# Allegro board pc051c_toplevel_209edited.brd (continued)
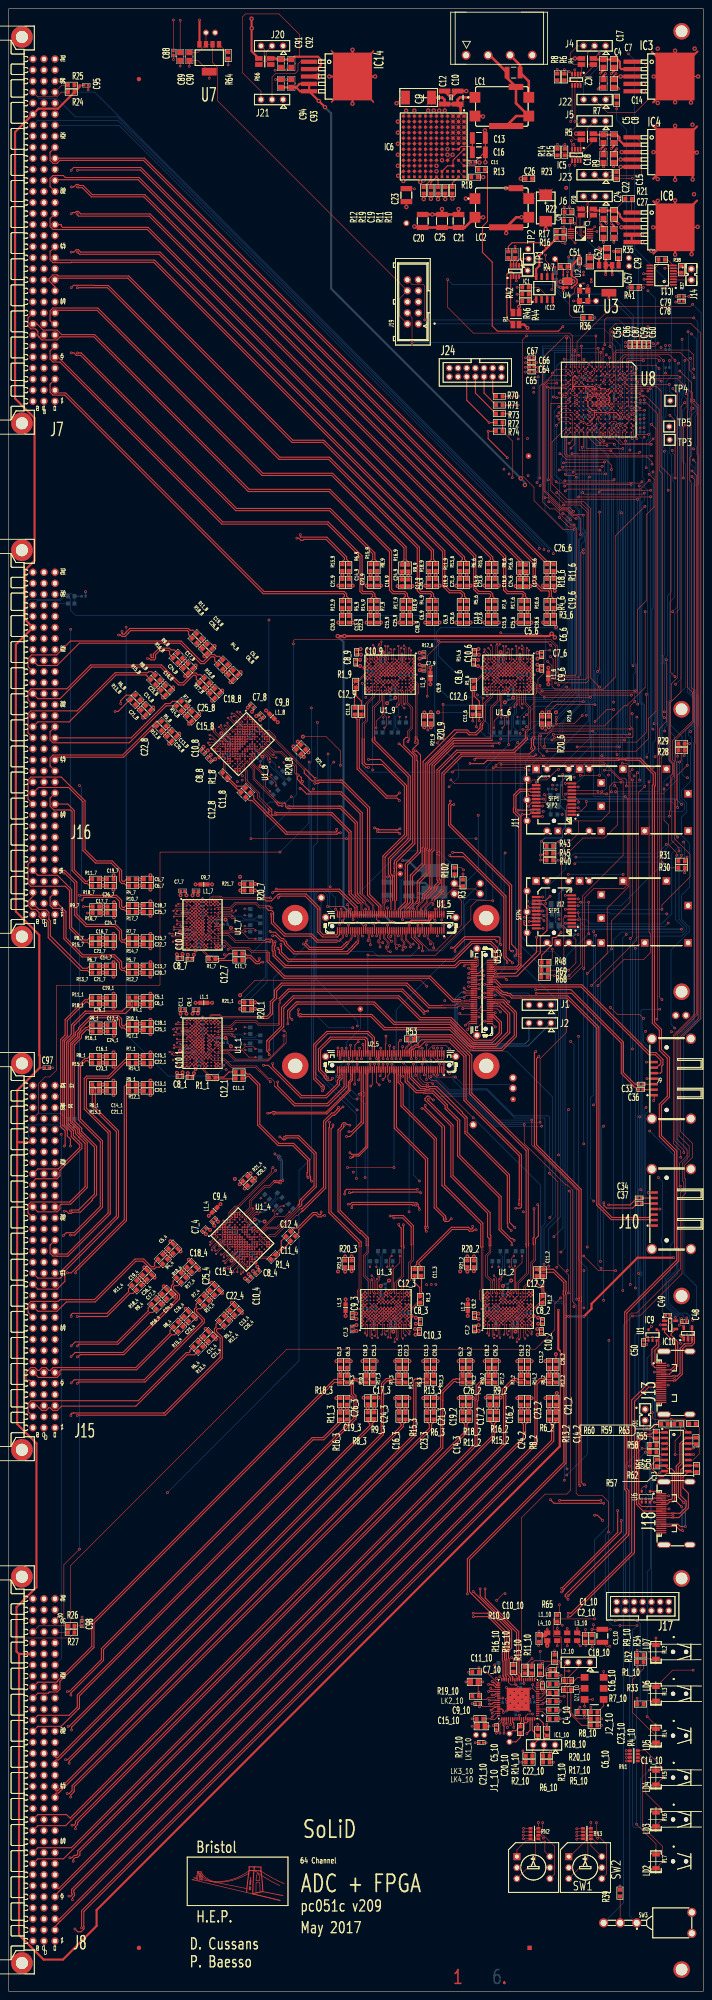
[diagram p0: board, top side]
## Routing (per net, layer and track width the routed paths; a pad name or vN(x,y) marks a point on that pad's centre or on a via; arc(x,y) is an arc through that point) (continued)
  L3 w0.25: v2(50,303.58) 52.65,300.93 v4(52.65,294.42)
AIN-<1>_9: length 14.7
  TOP w0.13: U1_9.B1 92.15,306.65 92.15,308.95 v4(92.25,309.05)
  TOP w0.25: R4_9.2 v2(96.85,317.4) C6_9.2
  L3 w0.25: v4(92.25,309.05) 96.85,313.65 v2(96.85,317.4)
AIN-<2>_1: length 23.9
  TOP w0.13: U1_1.C1 40.97,221.83 38.43,221.83 v4(37.95,221.35)
  TOP w0.25: R18_1.2 v2(21.7,227.15) C26_1.2
  L3 w0.25: v2(21.7,227.15) 24.3,224.55 34.75,224.55 v4(37.95,221.35)
AIN-<2>_2: length 23.9
  TOP w0.13: v4(111.85,150.3) 111.37,150.78 111.37,153.32 U1_2.C1
  TOP w0.25: C26_2.2 v2(106.05,134.05) R18_2.2
  L3 w0.25: v2(106.05,134.05) 108.65,136.65 108.65,147.1 v4(111.85,150.3)
AIN-<2>_3: length 23.9
  TOP w0.13: v4(83.7,150.3) 83.22,150.78 83.22,153.32 U1_3.C1
  TOP w0.25: R18_3.2 v2(77.9,134.05) C26_3.2
  L3 w0.25: v2(77.9,134.05) 80.5,136.65 80.5,147.1 v4(83.7,150.3)
AIN-<2>_4: length 23.9
  TOP w0.13: v4(46.8,170.53) 46.8,171.2 48.6,173 U1_4.C1
  TOP w0.25: C26_4.2 v2(31.21,163.14) R18_4.2
  L3 w0.25: v4(46.8,170.53) 42.27,170.53 37.32,165.57 33.64,165.57 v2(31.21,163.14)
AIN-<2>_6: length 23.9
  TOP w0.13: U1_6.C1 118.68,306.63 118.68,309.17 v4(118.2,309.65)
  TOP w0.25: C26_6.2 v2(124,325.9) R18_6.2
  L3 w0.25: v4(118.2,309.65) 121.4,312.85 121.4,323.3 v2(124,325.9)
AIN-<2>_7: length 23.9
  TOP w0.13: U1_7.C1 40.97,249.08 38.43,249.08 v4(37.95,248.6)
  TOP w0.25: C26_7.2 v2(21.7,254.4) R18_7.2
  L3 w0.25: v4(37.95,248.6) 34.75,251.8 24.3,251.8 v2(21.7,254.4)
AIN-<2>_8: length 23.9
  TOP w0.13: U1_8.C1 53.85,292.2 52.05,294 v4(51.38,294)
  TOP w0.25: C26_8.2 v2(43.99,309.59) R18_8.2
  L3 w0.25: v4(51.38,294) 51.38,298.53 46.42,303.48 46.42,307.16 v2(43.99,309.59)
AIN-<2>_9: length 23.9
  TOP w0.13: U1_9.C1 91.53,306.63 91.53,309.17 v4(91.05,309.65)
  TOP w0.25: C26_9.2 v2(96.85,325.9) R18_9.2
  L3 w0.25: v4(91.05,309.65) 94.25,312.85 94.25,323.3 v2(96.85,325.9)
AIN-<3>_1: length 13.2
  TOP w0.13: v4(38.05,220.05) 40.95,220.05 U1_1.E1
  TOP w0.25: C25_1.2 v2(30.2,221.15) R17_1.2
  L3 w0.25: v2(30.2,221.15) 35.72,221.15 36.82,220.05 v4(38.05,220.05)
AIN-<3>_2: length 13.2
  TOP w0.13: v4(113.15,150.4) 113.15,153.3 U1_2.E1
  TOP w0.25: C25_2.2 v2(112.05,142.55) R17_2.2
  L3 w0.25: v4(113.15,150.4) 113.15,149.17 112.05,148.07 v2(112.05,142.55)
AIN-<3>_3: length 13.2
  TOP w0.13: U1_3.E1 85,153.3 v4(85,150.4)
  TOP w0.25: R17_3.2 v2(83.9,142.55) C25_3.2
  L3 w0.25: v4(85,150.4) 85,149.17 83.9,148.07 v2(83.9,142.55)
AIN-<3>_4: length 13.2
  TOP w0.13: R17_4.2 v2(41.46,164.9) C25_4.2 ; v4(47.79,169.68) 49.84,171.73 U1_4.E1
  L3 w0.25: v4(47.79,169.68) 46.92,168.81 45.37,168.81 v2(41.46,164.9)
AIN-<3>_6: length 13.2
  TOP w0.13: U1_6.E1 116.9,306.65 v4(116.9,309.55)
  TOP w0.25: R17_6.2 v2(118,317.4) C25_6.2
  L3 w0.25: v4(116.9,309.55) 116.9,310.78 118,311.88 v2(118,317.4)
AIN-<3>_7: length 13.2
  TOP w0.13: U1_7.E1 40.95,247.3 v4(38.05,247.3)
  TOP w0.25: R17_7.2 v2(30.2,248.4) C25_7.2
  L3 w0.25: v4(38.05,247.3) 36.82,247.3 35.72,248.4 v2(30.2,248.4)
AIN-<3>_8: length 13.2
  TOP w0.13: R17_8.2 v2(45.75,299.34) C25_8.2 ; v4(50.53,293.01) 52.58,290.96 U1_8.E1
  L3 w0.25: v4(50.53,293.01) 49.66,293.88 49.66,295.43 v2(45.75,299.34)
AIN-<3>_9: length 13.2
  TOP w0.13: v4(89.75,309.55) 89.75,306.65 U1_9.E1
  TOP w0.25: C25_9.2 v2(90.85,317.4) R17_9.2
  L3 w0.25: v2(90.85,317.4) 90.85,311.88 89.75,310.78 v4(89.75,309.55)
AIN-<4>_1: length 22.4
  TOP w0.13: v4(38.75,218.25) 39.05,218.55 U1_1.G1
  TOP w0.25: R16_1.2 v2(21.8,220.85) C24_1.2
  L3 w0.25: v2(21.8,220.85) 24.4,218.25 v4(38.75,218.25)
AIN-<4>_2: length 22.4
  TOP w0.13: v4(114.95,151.1) 114.65,151.4 U1_2.G1
  TOP w0.25: C24_2.2 v2(112.35,134.15) R16_2.2
  L3 w0.25: v2(112.35,134.15) 114.95,136.75 v4(114.95,151.1)
AIN-<4>_3: length 22.4
  TOP w0.13: v4(86.8,151.1) 86.5,151.4 U1_3.G1
  TOP w0.25: R16_3.2 v2(84.2,134.15) C24_3.2
  L3 w0.25: v2(84.2,134.15) 86.8,136.75 v4(86.8,151.1)
AIN-<4>_4: length 22.4
  TOP w0.13: C24_4.2 v2(35.73,158.75) R16_4.2 ; v4(49.56,168.9) 49.56,169.32 U1_4.G1
  L3 w0.25: v4(49.56,168.9) 39.41,158.75 v2(35.73,158.75)
AIN-<4>_6: length 22.4
  TOP w0.13: U1_6.G1 115.4,308.55 v4(115.1,308.85)
  TOP w0.25: C24_6.2 v2(117.7,325.8) R16_6.2
  L3 w0.25: v4(115.1,308.85) 115.1,323.2 v2(117.7,325.8)
AIN-<4>_7: length 22.4
  TOP w0.13: v4(38.75,245.5) 39.05,245.8 U1_7.G1
  TOP w0.25: C24_7.2 v2(21.8,248.1) R16_7.2
  L3 w0.25: v2(21.8,248.1) 24.4,245.5 v4(38.75,245.5)
AIN-<4>_8: length 22.4
  TOP w0.13: v4(49.75,291.24) 50.17,291.24 U1_8.G1 ; C24_8.2 v2(39.6,305.07) R16_8.2
  L3 w0.25: v2(39.6,305.07) 39.6,301.39 v4(49.75,291.24)
AIN-<4>_9: length 22.4
  TOP w0.13: U1_9.G1 88.25,308.55 v4(87.95,308.85)
  TOP w0.25: R16_9.2 v2(90.55,325.8) C24_9.2
  L3 w0.25: v2(90.55,325.8) 87.95,323.2 v4(87.95,308.85)
AIN-<5>_1: length 23.7
  TOP w0.13: v4(38.05,217.05) 38.1,217.1 40.4,217.1 40.65,217.35 41.45,217.35 U1_1.H2
  TOP w0.25: C23_1.2 v2(21.7,213.65) R15_1.2
  L3 w0.25: v4(38.05,217.05) 27.36,217.05 23.96,213.65 v2(21.7,213.65)
AIN-<5>_2: length 23.7
  TOP w0.13: v4(116.15,150.4) 116.1,150.45 116.1,152.75 115.85,153 115.85,153.8 U1_2.H2
  TOP w0.25: C23_2.2 v2(119.55,134.05) R15_2.2
  L3 w0.25: v2(119.55,134.05) 119.55,136.31 116.15,139.71 v4(116.15,150.4)
AIN-<5>_3: length 23.7
  TOP w0.13: U1_3.H2 87.7,153.8 87.7,153 87.95,152.75 87.95,150.45 v4(88,150.4)
  TOP w0.25: C23_3.2 v2(91.4,134.05) R15_3.2
  L3 w0.25: v2(91.4,134.05) 91.4,136.31 88,139.71 v4(88,150.4)
AIN-<5>_4: length 23.7
  TOP w0.13: R15_4.2 v2(40.75,153.59) C23_4.2 ; U1_4.H2 52.1,170.17 51.54,169.61 51.54,169.26 49.91,167.63 v4(49.91,167.56)
  L3 w0.25: v4(49.91,167.56) 42.35,159.99 42.35,155.19 v2(40.75,153.59)
AIN-<5>_6: length 23.9
  TOP w0.13: v4(113.9,309.55) 113.95,309.5 113.95,307.2 114.2,306.95 114.2,306.15 U1_6.H2
  TOP w0.25: C23_6.2 v2(110.5,325.9) R15_6.2
  L3 w0.25: v2(110.5,325.9) 110.5,323.64 114.05,320.1 114.05,309.7 v4(113.9,309.55)
AIN-<5>_7: length 23.7
  TOP w0.13: U1_7.H2 41.45,244.6 40.65,244.6 40.4,244.35 38.1,244.35 v4(38.05,244.3)
  TOP w0.25: R15_7.2 v2(21.7,240.9) C23_7.2
  L3 w0.25: v2(21.7,240.9) 23.96,240.9 27.36,244.3 v4(38.05,244.3)
AIN-<5>_8: length 23.7
  TOP w0.13: C23_8.2 v2(34.44,300.05) R15_8.2 ; v4(48.41,290.89) 48.48,290.89 50.11,289.26 50.46,289.26 51.02,288.7 U1_8.H2
  L3 w0.25: v2(34.44,300.05) 36.04,298.45 40.84,298.45 v4(48.41,290.89)
AIN-<5>_9: length 23.7
  TOP w0.13: v4(86.75,309.55) 86.8,309.5 86.8,307.2 87.05,306.95 87.05,306.15 U1_9.H2
  TOP w0.25: C23_9.2 v2(83.35,325.9) R15_9.2
  L3 w0.25: v2(83.35,325.9) 83.35,323.64 86.75,320.24 v4(86.75,309.55)
AIN-<6>_1: length 14.8
  TOP w0.13: U1_1.K2 41.45,215.75 40.49,215.75 40.11,215.37 37.93,215.37 v4(37.65,215.65)
  TOP w0.25: R14_1.2 v2(30.2,213.65) C22_1.2
  L3 w0.25: v2(30.2,213.65) 35.62,213.65 v4(37.65,215.65)
AIN-<6>_2: length 14.8
  TOP w0.13: U1_2.K2 117.44,153.81 117.44,152.84 117.83,152.46 117.83,150.28 v4(117.55,150)
  TOP w0.25: R14_2.2 v2(119.55,142.55) C22_2.2
  L3 w0.25: v2(119.55,142.55) 119.55,147.97 v4(117.55,150)
AIN-<6>_3: length 14.8
  TOP w0.13: U1_3.K2 89.3,153.81 89.3,152.84 89.68,152.46 89.68,150.28 v4(89.4,150)
  TOP w0.25: R14_3.2 v2(91.4,142.55) C22_3.2
  L3 w0.25: v4(89.4,150) 91.4,147.97 v2(91.4,142.55)
AIN-<6>_4: length 14.8
  TOP w0.13: R14_4.2 v2(46.76,159.6) C22_4.2 ; v4(50.62,166.28) 51.01,166.28 52.55,167.82 52.55,168.37 53.23,169.05 U1_4.K2
  L3 w0.25: v4(50.62,166.28) 50.62,163.45 v2(46.76,159.6)
AIN-<6>_6: length 14.8
  TOP w0.13: v4(112.5,309.95) 112.22,309.67 112.22,307.49 112.61,307.11 112.61,306.14 U1_6.K2
  TOP w0.25: C22_6.2 v2(110.5,317.4) R14_6.2
  L3 w0.25: v2(110.5,317.4) 110.5,311.98 v4(112.5,309.95)
AIN-<6>_7: length 14.8
  TOP w0.13: U1_7.K2 41.45,243 40.49,243 40.11,242.62 37.93,242.62 v4(37.65,242.9)
  TOP w0.25: C22_7.2 v2(30.2,240.9) R14_7.2
  L3 w0.25: v4(37.65,242.9) 35.62,240.9 v2(30.2,240.9)
AIN-<6>_8: length 14.8
  TOP w0.13: v4(47.13,290.18) 47.13,289.79 48.67,288.25 49.22,288.25 49.9,287.57 U1_8.K2 ; R14_8.2 v2(40.45,294.04) C22_8.2
  L3 w0.25: v2(40.45,294.04) 44.3,290.18 v4(47.13,290.18)
AIN-<6>_9: length 14.8
  TOP w0.13: U1_9.K2 85.45,306.14 85.45,307.11 85.07,307.49 85.07,309.67 v4(85.35,309.95)
  TOP w0.25: R14_9.2 v2(83.35,317.4) C22_9.2
  L3 w0.25: v4(85.35,309.95) 83.35,311.98 v2(83.35,317.4)
AIN-<7>_1: length 25.1
  TOP w0.13: v4(38.55,213.65) 39.05,214.16 41.45,214.16 U1_1.M2
  TOP w0.25: C21_1.2 v2(21.7,207.15) R13_1.2
  L3 w0.25: v2(21.7,207.15) 24.96,207.15 29.06,211.25 34.86,211.25 37.07,213.46 38.39,213.46 v4(38.55,213.65)
AIN-<7>_2: length 25.1
  TOP w0.13: v4(119.55,150.9) 119.05,151.41 119.05,153.81 U1_2.M2
  TOP w0.25: R13_2.2 v2(126.05,134.05) C21_2.2
  L3 w0.25: v2(126.05,134.05) 125.55,134.55 125.55,137.81 121.95,141.41 121.95,147.21 119.74,149.42 119.74,150.74 v4(119.55,150.9)
AIN-<7>_3: length 25.1
  TOP w0.13: v4(91.4,150.9) 90.89,151.41 90.89,153.81 U1_3.M2
  TOP w0.25: C21_3.2 v2(97.9,134.05) R13_3.2
  L3 w0.25: v4(91.4,150.9) 91.59,150.74 91.59,149.42 93.8,147.21 93.8,141.41 97.9,137.31 v2(97.9,134.05)
AIN-<7>_4: length 25.1
  TOP w0.13: v4(52.67,165.5) 52.67,166.22 54.37,167.92 U1_4.M2 ; C21_4.2 v2(45.35,148.99) R13_4.2
  L3 w0.25: v4(52.67,165.5) 52.67,165.24 51.75,164.32 51.75,161.2 47.65,157.1 47.65,151.3 v2(45.35,148.99)
AIN-<7>_6: length 25.1
  TOP w0.13: U1_6.M2 111,306.14 111,308.55 v4(110.5,309.05)
  TOP w0.25: R13_6.2 v2(104,325.9) C21_6.2
  L3 w0.25: v4(110.5,309.05) 110.31,309.21 110.31,310.53 108.1,312.74 108.1,318.54 104,322.64 v2(104,325.9)
AIN-<7>_7: length 25.1
  TOP w0.13: v4(38.55,240.9) 39.05,241.41 41.45,241.41 U1_7.M2
  TOP w0.25: R13_7.2 v2(21.7,234.4) C21_7.2
  L3 w0.25: v4(38.55,240.9) 38.39,240.71 37.07,240.71 34.86,238.5 29.06,238.5 24.96,234.4 v2(21.7,234.4)
AIN-<7>_8: length 25.1
  TOP w0.13: R13_8.2 v2(29.84,295.45) C21_8.2 ; U1_8.M2 48.77,286.43 47.07,288.13 v4(46.35,288.13)
  L3 w0.25: v2(29.84,295.45) 32.15,293.15 37.95,293.15 42.05,289.05 45.17,289.05 46.09,288.13 v4(46.35,288.13)
AIN-<7>_9: length 25.1
  TOP w0.13: U1_9.M2 83.86,306.14 83.86,308.55 v4(83.35,309.05)
  TOP w0.25: C21_9.2 v2(76.85,325.9) R13_9.2
  L3 w0.25: v2(76.85,325.9) 76.85,322.64 80.95,318.54 80.95,312.74 83.16,310.53 83.16,309.21 v4(83.35,309.05)
AIN-<8>_1: length 16.3
  TOP w0.13: U1_1.N2 41.45,213.35 40.15,213.35 v4(39.45,212.65)
  TOP w0.25: C20_1.2 v2(30.2,207.15) R12_1.2
  L3 w0.25: v4(39.45,212.65) 39.05,212.25 38.36,212.25 33.26,207.15 v2(30.2,207.15)
AIN-<8>_2: length 16.3
  TOP w0.13: U1_2.N2 119.85,153.8 119.85,152.5 v4(120.55,151.8)
  TOP w0.25: R12_2.2 v2(126.05,142.55) C20_2.2
  L3 w0.25: v2(126.05,142.55) 126.05,145.61 120.95,150.71 120.95,151.4 v4(120.55,151.8)
AIN-<8>_3: length 16.3
  TOP w0.13: U1_3.N2 91.7,153.8 91.7,152.5 v4(92.4,151.8)
  TOP w0.25: C20_3.2 v2(97.9,142.55) R12_3.2
  L3 w0.25: v4(92.4,151.8) 92.8,151.4 92.8,150.71 97.9,145.61 v2(97.9,142.55)
AIN-<8>_4: length 16.3
  TOP w0.13: C20_4.2 v2(51.36,155) R12_4.2 ; v4(54.01,165.43) 54.01,166.42 54.93,167.34 U1_4.N2
  L3 w0.25: v4(54.01,165.43) 54.01,164.87 53.52,164.38 53.52,157.17 v2(51.36,155)
AIN-<8>_6: length 16.3
  TOP w0.13: U1_6.N2 110.2,306.15 110.2,307.45 v4(109.5,308.15)
  TOP w0.25: C20_6.2 v2(104,317.4) R12_6.2
  L3 w0.25: v2(104,317.4) 104,314.34 109.1,309.24 109.1,308.55 v4(109.5,308.15)
AIN-<8>_7: length 16.3
  TOP w0.13: U1_7.N2 41.45,240.6 40.15,240.6 v4(39.45,239.9)
  TOP w0.25: R12_7.2 v2(30.2,234.4) C20_7.2
  L3 w0.25: v4(39.45,239.9) 39.05,239.5 38.36,239.5 33.26,234.4 v2(30.2,234.4)
AIN-<8>_8: length 16.3
  TOP w0.13: C20_8.2 v2(35.85,289.44) R12_8.2 ; v4(46.28,286.79) 47.27,286.79 48.19,285.87 U1_8.N2
  L3 w0.25: v4(46.28,286.79) 45.72,286.79 45.23,287.28 38.02,287.28 v2(35.85,289.44)
AIN-<8>_9: length 16.3
  TOP w0.13: v4(82.35,308.15) 83.05,307.45 83.05,306.15 U1_9.N2
  TOP w0.25: C20_9.2 v2(76.85,317.4) R12_9.2
  L3 w0.25: v4(82.35,308.15) 81.95,308.55 81.95,309.24 76.85,314.34 v2(76.85,317.4)
ANA_IN_N<0>: length 166.4
  TOP w0.25: R4_6.1 124,320.48 124.5,320.98 124.5,322.1 124.36,322.24 122.6,322.24 120.8,324.04 120.8,328.6 30.32,419.08 15.88,419.08 v1(15.8,419)
  L3 w0.25: v1(15.8,419) 15.72,419.08 15.59,419.08 11.5,423.17 6.72,423.17 J7.A24
ANA_IN_N<1>: length 157
  TOP w0.25: R18_6.1 31.05,421.3 11.82,421.3 11.14,420.62 10.2,420.62 9.54,421.29 9.54,423.17 J7.C24
ANA_IN_N<2>: length 159.9
  TOP w0.25: v1(15.8,415.2) 15.99,415.01 16.96,415.01 19.06,412.9 31.14,412.9 114,330.04 114,322.38 114.29,322.09 114.8,321.58 118.25,321.58 118.5,321.33 118.5,320.98 118,320.48 R17_6.1
  L3 w0.25: J7.A21 6.72,417.81 13.77,417.81 15.8,415.79 v1(15.8,415.2)
ANA_IN_N<3>: length 144.2
  TOP w0.25: R16_6.1 117.7,328.97 29.82,416.85 10.84,416.85 J7.C21
ANA_IN_N<4>: length 141.4
  TOP w0.25: R15_6.1 110.5,328.98 111,329.48 111,329.83 32.36,408.47 16.09,408.47 15.8,408.76 v1(15.8,409)
  L3 w0.25: J7.A18 6.72,407.93 15.46,407.93 15.8,408.26 v1(15.8,409)
ANA_IN_N<5>: length 146.2
  TOP w0.25: R14_6.1 110.5,320.48 111,320.98 111,321.33 110.73,321.6 108.1,321.6 107.4,322.3 107.11,322.59 107.11,330.18 31.91,405.38 10.2,405.38 9.54,406.05 9.54,407.93 J7.C18
ANA_IN_N<6>: length 133.2
  TOP w0.25: v1(15.8,400.2) 16.31,399.69 34.64,399.69 104.5,329.83 104.5,329.48 104,328.98 R13_6.1
  L3 w0.25: v1(15.8,400.2) 16.43,400.2 16.68,400.45 16.68,400.8 14.91,402.57 6.72,402.57 J7.A15
ANA_IN_N<7>: length 136.8
  TOP w0.25: R12_6.1 104,320.48 104.5,320.98 104.5,321.33 104.03,321.8 101.5,321.8 100.25,323.05 99.96,323.34 99.96,331.28 33.39,397.85 14.45,397.85 14.37,397.76 10.2,397.76 9.54,398.43 9.54,400.31 J7.C15
ANA_IN_N<8>: length 129.8
  TOP w0.25: v1(15.8,392) 22.75,392 62.25,352.5 73.7,352.5 94.1,332.1 94.1,322.28 94.8,321.58 97.1,321.58 97.35,321.33 97.35,320.98 96.85,320.48 R4_9.1
  L3 w0.25: J7.A12 5.88,393.82 7.28,392.42 11.89,392.42 12.4,391.9 13.51,391.9 14.17,392.56 14.63,392.56 15.19,392 v1(15.8,392)
ANA_IN_N<9>: length 116.1
  TOP w0.25: R18_9.1 96.85,328.98 97.35,329.48 97.35,331.44 72.39,356.4 65.25,356.4 27.46,394.19 11.04,394.19 J7.C12
ANA_IN_N<10>: length 124.1
  TOP w0.25: J7.A9 4.46,385.06 4.46,383.19 5.12,382.52 6.18,382.52 6.72,381.98 6.72,380.95 7,380.68 7,380.65 7.66,379.99 11.14,379.99 11.86,380.7 19.59,380.7 55.19,345.1 73.8,345.1 87.7,331.2 87.7,322.38 88.5,321.58 91.1,321.58 91.35,321.33 91.35,320.98 90.85,320.48 R17_9.1
ANA_IN_N<11>: length 107.4
  TOP w0.25: R16_9.1 90.55,328.88 91.05,329.38 91.05,332.15 74.4,348.8 58.34,348.8 20.34,386.8 11.27,386.8 J7.C9
ANA_IN_N<12>: length 100.7
  TOP w0.25: R15_9.1 83.35,328.98 83.85,329.48 83.85,330.75 73.9,340.7 52.29,340.7 16.55,376.44 15.57,376.44 15.01,377 v1(14.4,377)
  L3 w0.25: J7.A6 7,377.18 14.22,377.18 v1(14.4,377)
ANA_IN_N<13>: length 106.6
  TOP w0.25: R14_9.1 83.35,320.48 83.85,320.98 83.85,321.33 83.6,321.58 81.44,321.58 80.9,322.13 80.9,330.1 73.4,337.6 49.1,337.6 11.79,374.9 10.2,374.9 9.54,375.57 9.54,377.44 J7.C6
ANA_IN_N<14>: length 96.1
  TOP w0.25: v1(66.37,334.37) 66.83,334.37 67.33,333.87 67.76,333.87 67.99,334.1 73.08,334.1 77.35,329.83 77.35,329.48 76.85,328.98 R13_9.1
  L3 w0.25: J7.A3 4.46,369.82 4.46,367.95 5.12,367.29 6.02,367.29 6.98,366.32 6.98,364.65 8.11,363.52 8.11,361.76 35.49,334.37 v1(66.37,334.37)
ANA_IN_N<15>: length 92.3
  TOP w0.25: J7.C3 9.54,369.82 9.54,367.95 10.2,367.29 12.91,367.29 58.62,321.58 77.1,321.58 77.35,321.33 77.35,320.98 76.85,320.48 R12_9.1
ANA_IN_N<16>: length 49
  TOP w0.25: J16.A24 6.72,305.06 11.14,305.06 16.28,310.2 39.49,310.2 44.19,305.5 45.07,305.5 46.64,307.07 47.22,307.07 47.47,306.82 47.47,306.11 R4_8.1
ANA_IN_N<17>: length 35.9
  TOP w0.25: R18_8.1 41.46,312.12 41.46,312.83 41.21,313.08 28.08,313.08 27.55,312.55 27.55,312.48 26.84,311.77 26.08,311.77 25.75,312.1 v1(25.3,312.1)
  L3 w0.25: v1(25.3,312.1) 16.57,312.1 J16.C24
ANA_IN_N<18>: length 45.7
  TOP w0.25: J16.A21 6.72,297.44 11.85,297.44 19.1,304.7 35,304.7 39.1,300.6 40.31,300.6 42.54,302.83 42.97,302.83 43.22,302.58 43.22,301.87 R17_8.1
ANA_IN_N<19>: length 33.3
  TOP w0.25: R16_8.1 37.07,307.6 37.07,308.3 36.82,308.55 34.85,308.55 33.84,307.54 33.84,306.67 33.52,306.35 32.75,306.35 32.43,306.67 v1(31.97,306.67)
  L3 w0.25: J16.C21 18.76,306.67 v1(31.97,306.67)
ANA_IN_N<20>: length 32.6
  TOP w0.25: J16.A18 6.72,292.1 13.93,292.1 24.74,302.9 31.66,302.9 31.91,302.65 31.91,302.58 R15_8.1
ANA_IN_N<21>: length 36.5
  TOP w0.25: J16.C18 9.54,289.82 9.54,287.95 10.2,287.29 27.79,287.29 36.3,295.8 38.69,295.8 R14_8.1
ANA_IN_N<22>: length 32.8
  TOP w0.25: R13_8.1 27.88,297.18 25.2,294.5 v1(24.5,294.5)
  L3 w0.25: v1(24.5,294.5) 24.86,294.99 25.26,294.99 25.43,294.82 25.43,292.44 16.69,283.7 11.92,283.7 11.14,284.48 7.66,284.48 6.28,283.1 5.83,283.1 J16.A15
ANA_IN_N<23>: length 26.7
  TOP w0.25: R12_8.1 33.67,291.17 26.48,283.98 11.24,283.98 10.99,283.73 10.99,283.66 J16.C15
ANA_IN_N<24>: length 39.9
  TOP w0.25: R4_7.1 27.12,254.4 26.62,254.9 26.06,254.9 25.52,255.44 25.52,257.7 23.62,259.6 20,259.6 17.1,262.5 17.1,273.7 13.8,277 6.87,277 J16.A12
ANA_IN_N<25>: length 28.8
  TOP w0.25: R18_7.1 18.62,254.4 18.12,254.9 17.56,254.9 14.6,257.86 14.6,271.5 14.27,271.83 10.42,271.83 9.54,272.71 9.54,274.58 J16.C12
ANA_IN_N<26>: length 37
  TOP w0.25: R17_7.1 27.12,248.4 26.62,248.9 26.06,248.9 25.52,249.44 25.52,250.8 24.62,251.7 17.25,251.7 17.2,251.65 17.2,251.4 v1(16.9,251.1)
  L3 w0.25: v1(16.9,251.1) 16.9,256.9 13.7,260.1 13.7,261.6 10.87,264.43 7.66,264.43 6.72,265.36 6.72,266.96 J16.A9
ANA_IN_N<27>: length 24.7
  TOP w0.25: v1(18.1,248.1) R16_7.1
  L3 w0.25: v1(18.1,248.1) 18.1,259.4 16.3,261.2 16.3,262.26 11.48,267.08 10.92,267.08 10.67,267.33 J16.C9
ANA_IN_N<28>: length 31.7
  TOP w0.25: R15_7.1 18.62,240.9 18.12,241.4 17.2,241.4 14,244.6 14,253.3 13.04,254.26 5.12,254.26 4.46,254.93 4.46,259.35 J16.A6
ANA_IN_N<29>: length 31.6
  TOP w0.25: R14_7.1 27.12,240.9 26.62,241.4 26.06,241.4 25.5,241.96 25.5,243.9 24.4,245 17.8,245 15.2,247.6 15.2,254.99 12.84,257.35 12.75,257.35 v1(12.71,257.31)
  L3 w0.25: J16.C6 12.95,258.2 12.95,257.55 v1(12.71,257.31)
ANA_IN_N<30>: length 27.4
  TOP w0.25: J16.A3 5.59,251.96 5.25,251.62 5.25,251.59 4.46,250.79 4.46,249.85 5.17,249.13 5.17,249.05 5.25,248.97 6.23,248.97 7,248.21 7,247.31 7.66,246.65 8.56,246.65 9.1,246.1 9.1,242.45 16.65,234.9 18.12,234.9 18.62,234.4 R13_7.1
ANA_IN_N<31>: length 32.3
  TOP w0.25: R12_7.1 27.12,234.4 26.62,234.9 26.06,234.9 25.52,235.44 25.52,236.68 24.2,238 16.9,238 12.7,242.2 12.7,248.2 11.71,249.19 10.2,249.19 9.54,249.85 9.54,251.72 J16.C3
ANA_IN_N<32>: length 58.9
  TOP w0.25: R4_1.1 26.14,225.54 17.63,225.54 17.63,225.54 14.5,222.41 14.5,220.3 12.84,218.65 12.84,199.37 14.41,197.81 14.41,196.68 14.99,196.09 16.36,194.73 16.36,194.16 11.44,189.24 6.72,189.24 J15.A24
ANA_IN_N<33>: length 45.6
  TOP w0.25: v1(14.22,194.5) 14.22,196.08 13.5,196.8 13.5,198.18 12.46,199.21 12.46,218.8 13.5,219.84 13.5,223.38 17.77,227.65 18.12,227.65 18.62,227.15 R18_1.1
  L3 w0.25: v1(14.22,194.5) 14.22,193.97 13.63,193.38 13.63,191.06 J15.C24
ANA_IN_N<34>: length 69.1
  TOP w0.25: J15.A21 6.72,179.34 11.14,179.34 11.8,180.01 11.8,180.87 12.05,181.12 14.27,181.12 18.1,184.94 18.1,195.31 16.6,196.81 16.6,196.86 15.91,197.54 15.91,198.25 14.22,199.94 14.22,218.07 15.88,219.73 15.88,220.44 16.6,221.16 16.6,221.49 19.12,224.01 25.06,224.01 25.52,223.55 25.52,222.19 26.06,221.65 26.62,221.65 27.12,221.15 R17_1.1
ANA_IN_N<35>: length 55.2
  TOP w0.25: v1(12.8,179.5) 13.31,179.5 13.81,179 14.43,179 14.71,179.28 16.51,179.28 19.3,182.07 19.3,182.29 20.25,183.24 20.25,194.45 16.82,197.87 16.82,198.58 15.1,200.31 15.1,217.71 16.76,219.37 16.76,220.08 17.95,221.27 18.3,221.27 18.72,220.85 R16_1.1
  L3 w0.25: J15.C21 11.88,179.27 12.47,179.27 12.7,179.5 v1(12.8,179.5)
ANA_IN_N<36>: length 58.1
  TOP w0.25: R15_1.1 18.62,213.65 18.12,214.15 17.77,214.15 16.55,212.93 16.55,200.75 21.6,195.7 21.6,195.29 21.6,180.4 15.2,174 v1(14.2,174)
  L3 w0.25: v1(14.2,174) 12.62,172.42 11.84,172.42 11.14,171.72 6.72,171.72 J15.A18
ANA_IN_N<37>: length 66.3
  TOP w0.25: J15.C18 9.54,171.72 9.54,169.85 10.2,169.19 11.1,169.19 11.13,169.15 13.66,169.15 23.4,178.89 23.4,179.31 23.4,197.71 23.11,198 17.9,203.21 17.9,209.85 18.15,210.1 22.8,210.1 23.21,210.1 26.76,213.65 R14_1.1
ANA_IN_N<38>: length 57.5
  TOP w0.25: R13_1.1 19.25,203.35 24.8,197.8 24.8,178.4 12.44,166.04 12.44,164.65 11.9,164.1 6.72,164.1 J15.A15
ANA_IN_N<39>: length 52.3
  TOP w0.25: v1(15.4,165.3) 15.4,165.59 27.12,177.31 27.12,206.52 R12_1.1
  L3 w0.25: v1(15.4,165.3) 14.62,164.52 11.39,164.52 J15.C15
ANA_IN_N<40>: length 36.4
  TOP w0.25: R4_4.1 34.69,166.62 33.98,166.62 33.58,166.22 32.68,166.22 30.9,168 29.3,168 19.92,158.62 13.28,158.62 11.14,156.49 6.72,156.49 J15.A12
ANA_IN_N<41>: length 22.3
  TOP w0.25: v1(15.8,155.27) 22.64,155.27 27.97,160.61 28.68,160.61 R18_4.1
  L3 w0.25: v1(15.8,155.27) 15.63,155.27 13.9,157 11.29,157 J15.C12
ANA_IN_N<42>: length 47.8
  TOP w0.25: v1(15.8,146) 16,146 16.5,146.5 26.54,146.5 39.35,159.31 39.35,160.31 37.97,161.69 37.97,162.12 38.22,162.37 38.93,162.37 R17_4.1
  L3 w0.25: J15.A9 6.72,148.87 13.65,148.87 13.84,149.06 14.7,149.06 15.24,148.52 15.24,148.27 15.53,147.98 15.53,147.06 15.55,147.04 15.55,146.25 v1(15.8,146)
ANA_IN_N<43>: length 27.6
  TOP w0.25: v1(15.8,148.5) 16.2,148.9 25.17,148.9 32.5,156.22 33.2,156.22 R16_4.1
  L3 w0.25: v1(15.8,148.5) 15.8,148.69 14.49,150 J15.C9
ANA_IN_N<44>: length 40.8
  TOP w0.25: R15_4.1 38.22,151.06 37.52,151.06 29.47,143.01 12.05,143.01 11.8,142.76 11.8,141.91 11.14,141.25 6.86,141.25 6.22,141.88 6.22,142.64 5.85,143.01 5.33,143.01 5.21,142.89 5.21,142.43 5.25,142.38 J15.A6
ANA_IN_N<45>: length 47.1
  TOP w0.25: v1(15.8,139.9) 16.1,140.2 31.4,140.2 45.07,153.87 45.07,154.63 43.28,156.42 43.28,156.82 43.53,157.07 44.23,157.07 R14_4.1
  L3 w0.25: v1(15.8,139.9) 15.59,139.9 13.11,142.38 J15.C6
ANA_IN_N<46>: length 44.7
  TOP w0.25: R13_4.1 42.82,146.46 41.11,146.46 29.3,134.65 12.17,134.65 11.14,133.62 10.2,133.62 9.53,134.29 9.27,134.29 8.6,133.62 7.66,133.62 6.52,134.76 J15.A3
ANA_IN_N<47>: length 54.2
  TOP w0.25: v1(15.8,132.5) 15.87,132.57 36.07,132.57 49.2,145.7 49.2,150.5 47.87,151.83 47.87,152.22 48.12,152.47 48.83,152.47 R12_4.1
  L3 w0.25: v1(15.8,132.5) 13.54,134.76 J15.C3
ANA_IN_N<48>: length 105.3
  TOP w0.25: J8.A24 6.72,71.14 11.05,71.14 11.3,71.39 11.3,71.51 19.15,79.36 19.15,84.95 75,140.8 77.01,140.8 77.71,140.1 R4_3.1
ANA_IN_N<49>: length 96.5
  TOP w0.25: R18_3.1 77.71,131.6 77.01,130.9 76.6,130.9 72.6,126.9 70.11,126.9 21.85,78.64 21.85,76.14 14.33,68.62 v1(14.33,68.17)
  L3 w0.25: v1(14.33,68.17) 14.33,68.96 13.29,70 J8.C24
ANA_IN_N<50>: length 118.8
  TOP w0.25: J8.A21 6.72,63.52 13.91,63.52 15.8,65.4 15.8,68.19 79.51,131.9 79.51,136.79 78.9,137.4 78.9,140.44 79.5,141.05 79.8,141.05 79.89,140.96 80.19,140.96 80.25,140.9 82.91,140.9 83.71,140.1 R17_3.1
ANA_IN_N<51>: length 105.7
  TOP w0.25: R16_3.1 84.2,131.07 83.7,130.57 83.7,130.01 14.48,60.79 v1(14.48,60.12)
  L3 w0.25: v1(14.48,60.12) 14.48,60.91 13.01,62.38 J8.C21
ANA_IN_N<52>: length 121.9
  TOP w0.25: v1(13.92,52.48) 13.92,52.93 90.9,129.91 90.9,130.47 91.4,130.97 R15_3.1
  L3 w0.25: J8.A18 6.72,55.9 11.29,55.9 13.92,53.26 v1(13.92,52.48)
ANA_IN_N<53>: length 125
  TOP w0.25: J8.C18 10.67,53.99 10.92,53.74 11.27,53.74 85.8,128.27 85.8,136.25 85.86,136.31 85.86,139.87 86.99,141 87.55,141 87.65,141.1 87.8,141.1 88.1,140.8 90.51,140.8 91.21,140.1 R14_3.1
ANA_IN_N<54>: length 132.7
  TOP w0.25: R13_3.1 97.9,130.97 97.4,130.47 97.4,129.39 15.1,47.09 15.1,45.96 14.28,45.14 v1(14.28,44.69)
  L3 w0.25: J8.A15 6.72,48.27 11.48,48.27 14.28,45.47 v1(14.28,44.69)
ANA_IN_N<55>: length 135
  TOP w0.25: R12_3.1 97.71,140.1 96.91,140.9 93.92,140.9 93.92,140.9 93.59,140.9 93.3,140.61 93.3,128.15 11.27,46.12 10.92,46.12 10.67,46.37 J8.C15
ANA_IN_N<56>: length 150.9
  TOP w0.25: J8.A12 6.72,40.66 13.35,40.66 14.1,39.9 14.2,39.9 99.5,125.21 99.5,136.2 99.51,136.21 99.51,137.92 102.42,140.82 102.9,140.82 103.08,141 103.17,141 103.28,140.9 105.06,140.9 105.86,140.1 R4_2.1
ANA_IN_N<57>: length 137.8
  TOP w0.25: R18_2.1 106.05,130.97 105.55,130.47 105.55,128.54 15.88,38.87 15.88,38.37 15.38,37.87 v1(15.38,37.42)
  L3 w0.25: J8.C12 14.07,39.52 15.38,38.21 v1(15.38,37.42)
ANA_IN_N<58>: length 159.5
  TOP w0.25: J8.A9 6.72,33.03 14.45,33.03 107.41,125.99 107.41,135.96 107.66,136.21 107.66,139.37 108.79,140.5 109,140.5 109.3,140.8 111.35,140.8 R17_2.1
ANA_IN_N<59>: length 148
  TOP w0.25: R16_2.1 112.35,131.07 111.85,130.57 111.85,127.54 16.4,32.09 16.4,31.34 15.86,30.8 15.31,30.8 14.88,30.37 v1(14.88,29.92)
  L3 w0.25: v1(14.88,29.92) 14.88,30.71 13.69,31.9 J8.C9
ANA_IN_N<60>: length 165
  TOP w0.25: R15_2.1 119.55,130.97 119.05,130.47 119.05,127.3 15,23.25 15,22.71 15.18,22.53 15.18,22.04 14.68,21.54 v1(14.68,21.09)
  L3 w0.25: J8.A6 6.72,23.14 13.41,23.14 14.68,21.87 v1(14.68,21.09)
ANA_IN_N<61>: length 165.8
  TOP w0.25: J8.C6 10.73,24.28 11.31,23.7 11.59,23.7 114.01,126.12 114.01,136.89 113.7,137.2 113.7,138.51 116.22,141.02 117.03,141.02 117.25,140.8 118.85,140.8 R14_2.1
ANA_IN_N<62>: length 175.6
  TOP w0.25: v1(15.26,14.34) 15.9,13.7 16.69,13.7 17.36,14.37 17.36,14.83 17.3,14.89 17.3,18.35 125.55,126.6 125.55,130.47 126.05,130.97 R13_2.1
  L3 w0.25: v1(15.26,14.34) 12.06,14.34 10.87,15.53 6.72,15.53 J8.A3
